# KiCad board SparkFun_GNSS_LG290P_panelized.kicad_pcb (continued)
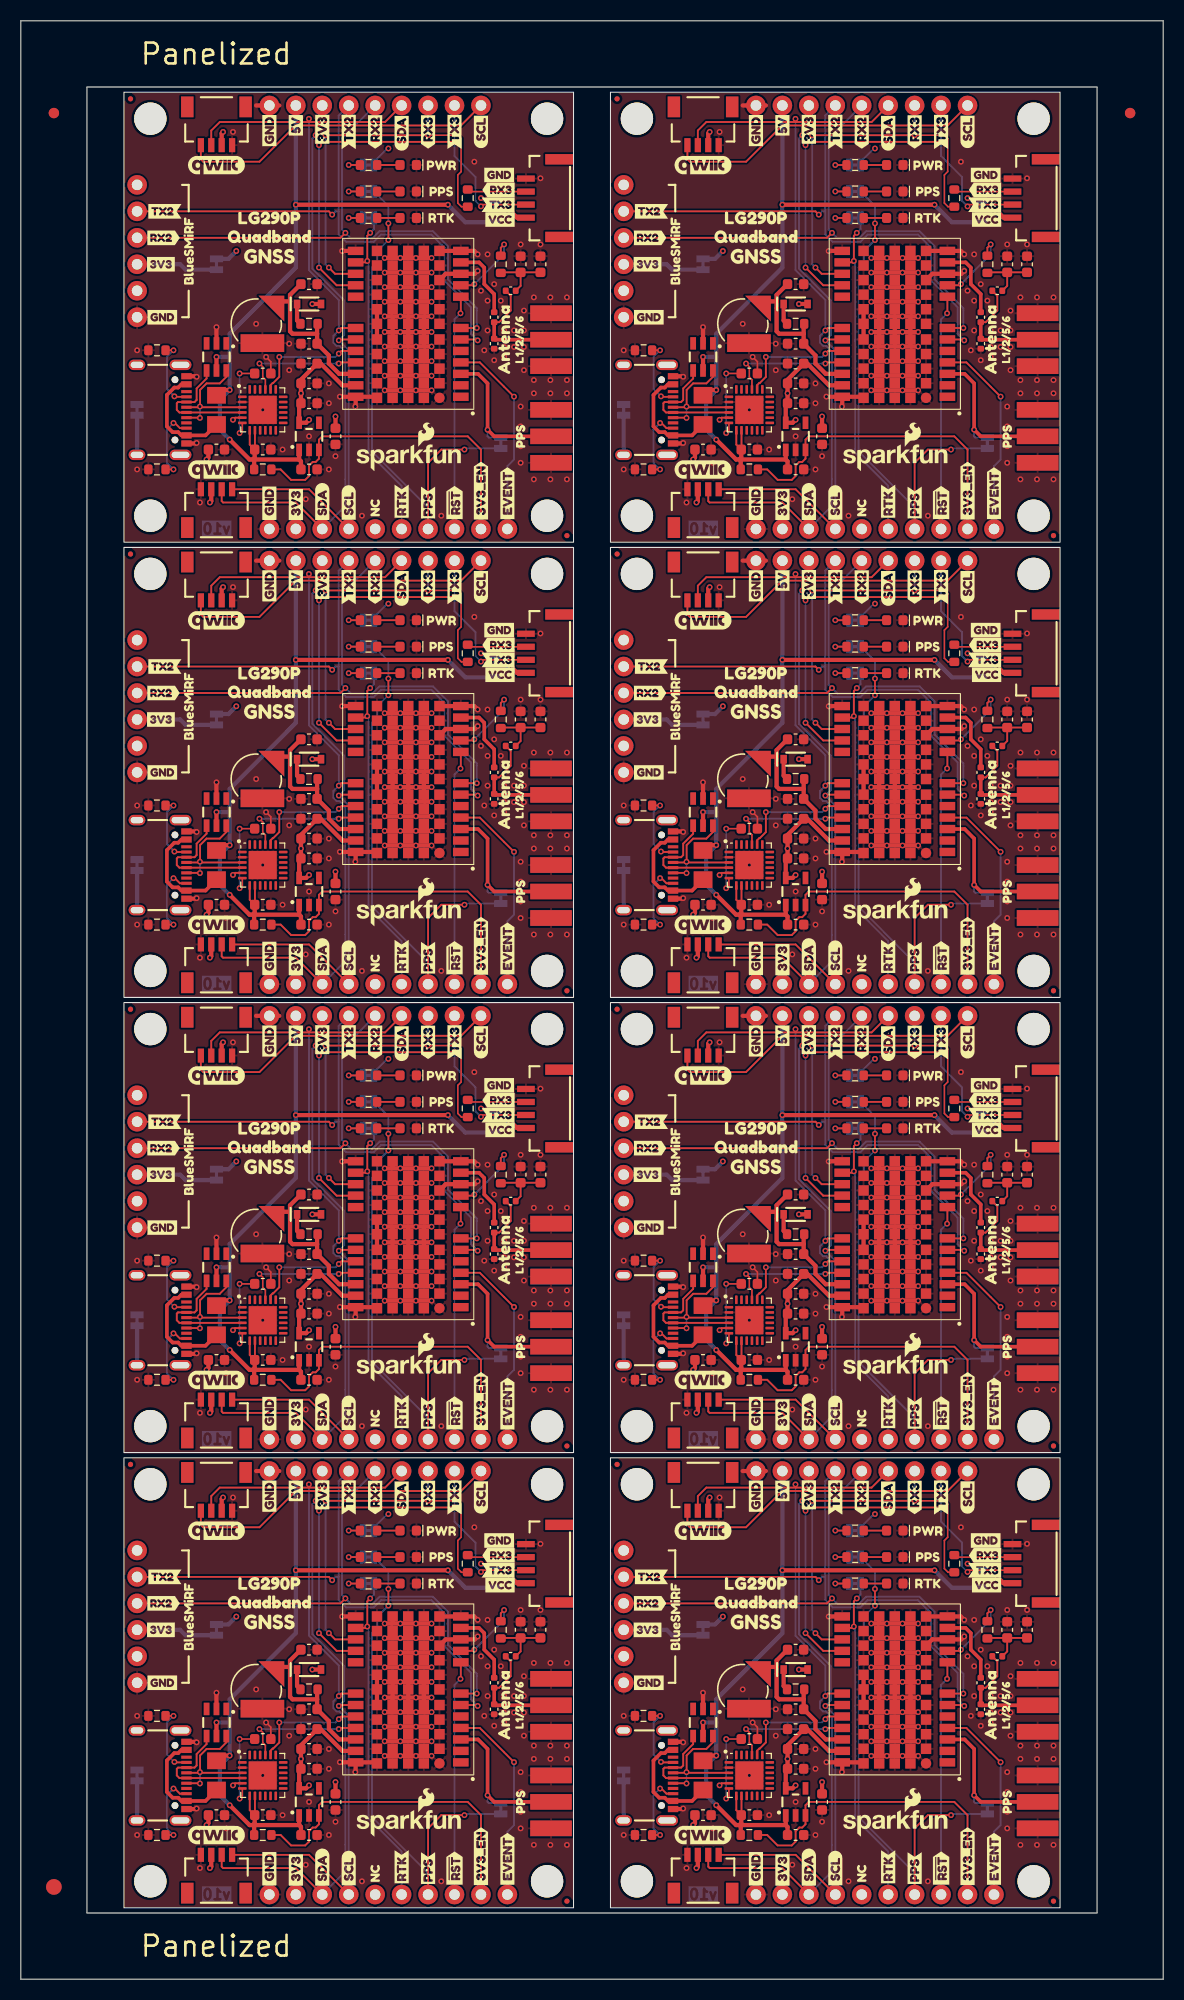
[diagram p0: board, top side]
## Library data of the parts (continued)
F1 F1#2-F1#7 = -: Datasheet: https://www.littelfuse.com/media?resourcetype=datasheets&itemid=2b6a1515-d4ee-4c83-8bd4-152b4901b8f5&filename=littelfuse_ptc_1206l_datasheet.pdf; Description: Resettable fuse 750mA; PROD_ID: RES-11150
F1#8 = -: Datasheet: https://www.littelfuse.com/media?resourcetype=datasheets&itemid=2b6a1515-d4ee-4c83-8bd4-152b4901b8f5&filename=littelfuse_ptc_1206l_datasheet.pdf; Description: Resettable fuse 750mA; PROD_ID: RES-11150; ki_fp_filters: *polyfuse* *PTC*
FID1 FID1#2-FID1#7 FID2 FID2#2-FID2#7 FID3 FID3#2-FID3#7 FID4#2-FID4#8 = -: Description: Fiducial Marker
FID1#8 FID2#8 FID3#8 FID4 = -: Description: Fiducial Marker; ki_fp_filters: Fiducial*
J1 J1#2-J1#7 = -: Datasheet: https://www.usb.org/sites/default/files/documents/usb_type-c.zip; Description: USB 2.0-only Type-C Receptacle connector; PROD_ID: CONN-14122
J1#8 = -: Datasheet: https://www.usb.org/sites/default/files/documents/usb_type-c.zip; Description: USB 2.0-only Type-C Receptacle connector; PROD_ID: CONN-14122; ki_fp_filters: USB*C*Receptacle*
J2 J2#2-J2#7 J10 J10#2-J10#7 = -: Description: Generic connector, single row, 01x06, script generated (kicad-library-utils/schlib/autogen/connector/)
J2#8 J10#8 = -: Description: Generic connector, single row, 01x06, script generated (kicad-library-utils/schlib/autogen/connector/); ki_fp_filters: Connector*:*_1x??_*
J3 J3#2-J3#7 J5#2-J5#8 = -: Datasheet: https://www.sparkfun.com/datasheets/Wireless/Antenna/SMA-Connector.pdf; Description: SMA PCB Edge Mount connector; PROD_ID: CONN-08289
J3#8 J5 = -: Datasheet: https://www.sparkfun.com/datasheets/Wireless/Antenna/SMA-Connector.pdf; Description: SMA PCB Edge Mount connector; PROD_ID: CONN-08289; ki_fp_filters: *BNC* *SMA* *SMB* *SMC* *Cinch* *LEMO*
J4 J7#8 = -: Datasheet: https://www.jst-mfg.com/product/pdf/eng/eSH.pdf; Description: 4 pin JST 1mm polarized connector for I2C; PROD_ID: CONN-13694; ki_fp_filters: Connector*:*_1x??_*
J4#2-J4#8 J7 J7#2-J7#7 = -: Datasheet: https://www.jst-mfg.com/product/pdf/eng/eSH.pdf; Description: 4 pin JST 1mm polarized connector for I2C; PROD_ID: CONN-13694
J6 = -: Description: Generic connector, single row, 01x09, script generated (kicad-library-utils/schlib/autogen/connector/); ki_fp_filters: Connector*:*_1x??_*
J6#2-J6#8 = -: Description: Generic connector, single row, 01x09, script generated (kicad-library-utils/schlib/autogen/connector/)
J8 = -: Description: Generic connector, single row, 01x04, script generated (kicad-library-utils/schlib/autogen/connector/); PROD_ID: CONN-15303; ki_fp_filters: Connector*:*_1x??_*
J8#2-J8#8 = -: Description: Generic connector, single row, 01x04, script generated (kicad-library-utils/schlib/autogen/connector/); PROD_ID: CONN-15303
J9 = -: Description: Coomon 4 pin PTH connector for I2C; ki_fp_filters: Connector*:*_1x??_*
J9#2-J9#8 = -: Description: Coomon 4 pin PTH connector for I2C
JP1 JP1#2-JP1#7 JP2#2-JP2#8 JP3#2-JP3#8 JP5#2-JP5#8 JP6#2-JP6#8 JP7#2-JP7#8 = -: Description: Solder Jumper, 2-pole, closed/bridged
JP1#8 JP2 JP3 JP5-JP7 = -: Description: Solder Jumper, 2-pole, closed/bridged; ki_fp_filters: SolderJumper*Bridged*
JP4 = -: Description: 3-pole Solder Jumper, pins 1+2 closed/bridged; ki_fp_filters: SolderJumper*Bridged12*
JP4#2-JP4#8 = -: Description: 3-pole Solder Jumper, pins 1+2 closed/bridged
L1 L1#2-L1#4 L1#6-L1#8 = -: Description: Inductor; Current: 200mA; PROD_ID: NDUC-15356
L1#5 = -: Description: Inductor; Current: 200mA; PROD_ID: NDUC-15356; ki_fp_filters: Choke_* *Coil* Inductor_* L_*
R1 R1#2 R1#3 R1#5-R1#8 R2#2-R2#8 = -: Datasheet: https://www.vishay.com/docs/20035/dcrcwe3.pdf; Description: Resistor; PROD_ID: RES-12083
R1#4 R2 = -: Datasheet: https://www.vishay.com/docs/20035/dcrcwe3.pdf; Description: Resistor; PROD_ID: RES-12083; ki_fp_filters: R_*
R3 R3#2-R3#7 R7#2-R7#8 R8 R8#2-R8#7 = -: Datasheet: https://www.vishay.com/docs/20035/dcrcwe3.pdf; Description: Resistor; PROD_ID: RES-07856
R3#8 R7 R8#8 = -: Datasheet: https://www.vishay.com/docs/20035/dcrcwe3.pdf; Description: Resistor; PROD_ID: RES-07856; ki_fp_filters: R_*
R4 = -: Datasheet: https://www.vishay.com/docs/20035/dcrcwe3.pdf; Description: Resistor; PROD_ID: RES-07857; ki_fp_filters: R_*
R4#2-R4#8 = -: Datasheet: https://www.vishay.com/docs/20035/dcrcwe3.pdf; Description: Resistor; PROD_ID: RES-07857
R5 = -: Datasheet: https://www.vishay.com/docs/20035/dcrcwe3.pdf; Description: Resistor; PROD_ID: RES-08272; ki_fp_filters: R_*
R5#2-R5#8 = -: Datasheet: https://www.vishay.com/docs/20035/dcrcwe3.pdf; Description: Resistor; PROD_ID: RES-08272
R6 R6#2-R6#7 = -: Datasheet: https://www.vishay.com/docs/20035/dcrcwe3.pdf; Description: Resistor; PROD_ID: RES-12581
R6#8 = -: Datasheet: https://www.vishay.com/docs/20035/dcrcwe3.pdf; Description: Resistor; PROD_ID: RES-12581; ki_fp_filters: R_*
R9 R9#2-R9#7 = -: Datasheet: https://www.vishay.com/docs/20035/dcrcwe3.pdf; Description: Resistor; PROD_ID: RES-07828
R9#8 = -: Datasheet: https://www.vishay.com/docs/20035/dcrcwe3.pdf; Description: Resistor; PROD_ID: RES-07828; ki_fp_filters: R_*
ST1 ST1#2-ST1#7 ST2 ST2#2-ST2#7 ST3#2-ST3#8 ST4#2-ST4#8 = -: Description: Drill holes for mechanically mounting via screws, standoffs, etc.
ST1#8 ST2#8 ST3 ST4 = -: Description: Drill holes for mechanically mounting via screws, standoffs, etc.; ki_fp_filters: Fiducial*
U1 U1#2-U1#7 = -: Datasheet: https://www.diodes.com/assets/Datasheets/DT1042-04SO.pdf; Description: Very low capacitance ESD protection diode, 4 data-line, SOT-23-6; PROD_ID: IC-13538
U1#8 = -: Datasheet: https://www.diodes.com/assets/Datasheets/DT1042-04SO.pdf; Description: Very low capacitance ESD protection diode, 4 data-line, SOT-23-6; PROD_ID: IC-13538; ki_fp_filters: SOT?23*
U2 U2#2-U2#7 = -: Datasheet: https://www.richtek.com/SaveDownload.aspx?specid=RT9080; Description: 600mA low dropout linear regulator, with enable pin, 3.8V-6V input voltage range, 3.3V fixed positive output, SOT-23-5; PROD_ID: VREG-19034; VMax: 6V; Imax: 600mA; Iq: 4µA
U2#8 = -: Datasheet: https://www.richtek.com/SaveDownload.aspx?specid=RT9080; Description: 600mA low dropout linear regulator, with enable pin, 3.8V-6V input voltage range, 3.3V fixed positive output, SOT-23-5; PROD_ID: VREG-19034; VMax: 6V; Imax: 600mA; Iq: 4µA; ki_fp_filters: SOT?23?5*
U3 U3#2-U3#8 = -: Datasheet: https://cdn.sparkfun.com/assets/4/1/a/7/e/Quectel_LG290P_03__Hardware_Design_V1.0.pdf; Description: Quectel Quadband GNSS Receiver; PROD_ID: GPS-23025
U4 U4#2-U4#7 = -: Datasheet: https://cdn.sparkfun.com/assets/4/5/0/b/7/CH342_Datasheet.pdf; Description: USB dual serial converter, UART, QFN-24; PROD_ID: IC-23059
U4#8 = -: Datasheet: https://cdn.sparkfun.com/assets/4/5/0/b/7/CH342_Datasheet.pdf; Description: USB dual serial converter, UART, QFN-24; PROD_ID: IC-23059; ki_fp_filters: SOIC*3.9x9.9mm*P1.27mm*

## Footprints (pads in the part's own frame, mm; a bottom-side part is the same pattern mirrored in y, then rotated)
1x04
  round 1.88 hole 1.016: 1(0,0) 2(2.54,0) 3(5.08,0) 4(7.62,0)
1x06
  round 1.88 hole 1.016: 1(0,0) 2(2.54,0) 3(5.08,0) 4(7.62,0) 5(10.16,0) 6(12.7,0)
1x09
  round 1.88 hole 1.016: 1(0,0) 2(2.54,0) 3(5.08,0) 4(7.62,0) 5(10.16,0) 6(12.7,0) 7(15.24,0) 8(17.78,0) 9(20.32,0)
1206
  rect 1.6x1.8 smd: 1(-1.4,0) 2(1.4,0)
C_0402_1005Metric
  rrect 0.56x0.62 smd: 1(-0.48,0) 2(0.48,0)
C_0603_1608Metric
  rrect 0.9x0.95 smd: 1(-0.775,0) 2(0.775,0)
Fiducial_0.5mm_Mask1mm
  round 0.5 smd: (0,0)
Fiducial_1.5mm_Mask3mm
  round 1.5 smd: (0,0)
Fiducial_1mm_Mask3mm
  round 1 smd: (0,0)
JST_SMD_1.0mm-4_RA
  rect 0.6x1.35 smd: 1(-1.5,0) 2(-0.5,0) 3(0.5,0) 4(1.5,0)
  rect 1.2x2 smd: NC1(2.8,-3.675) NC2(-2.8,-3.675)
JST_SMD_1.25mm-4_Locking
  rect 0.6x1.7 smd: 1(-1.875,3.3) 2(-0.625,3.3) 3(0.625,3.3) 4(1.875,3.3)
  rect 1x2.7 smd: NC1(3.725,0.1) NC2(-3.725,0.1)
Jumper_2_NC_Trace
  rect 0.66x1.27 smd: 1(-0.521,0) 2(0.521,0)
Jumper_3_NC-1_Trace
  rect 0.66x1.27 smd: 1(-1.041,0) 2(0,0) 3(1.041,0)
LED_0603_1608Metric_Red
  rrect 0.875x0.95 smd: 1(-0.787,0) 2(0.787,0)
LED_0603_1608Metric_White
  rrect 0.875x0.95 smd: 1(-0.787,0) 2(0.787,0)
LED_0603_1608Metric_Yellow
  rrect 0.875x0.95 smd: 1(-0.787,0) 2(0.787,0)
ML414H_IV01E
  custom 2.485x2.485 smd: +(2.05,2.152)
  rect 4.2x1.7 smd: -(0.6,-1.85)
QFN-24-1EP_4x4mm_P0.5mm_EP2.7x2.7mm
  rrect 1.09x1.09 smd: (-0.675,0.675) (-0.675,-0.675) (0.675,0.675) (0.675,-0.675)
  rrect 0.825x0.25 smd: 1(-1.962,1.25) 2(-1.962,0.75) 3(-1.962,0.25) 4(-1.962,-0.25) 5(-1.962,-0.75) 6(-1.962,-1.25) 13(1.962,-1.25) 14(1.962,-0.75) 15(1.962,-0.25) 16(1.962,0.25) 17(1.962,0.75) 18(1.962,1.25)
  rrect 0.25x0.825 smd: 7(-1.25,-1.962) 8(-0.75,-1.962) 9(-0.25,-1.962) 10(0.25,-1.962) 11(0.75,-1.962) 12(1.25,-1.962) 19(1.25,1.962) 20(0.75,1.962) 21(0.25,1.962) 22(-0.25,1.962) 23(-0.75,1.962) 24(-1.25,1.962)
  rect 2.7x2.7 smd: 25(0,0)
Quectel_LG290P
  rect 1.5x0.8 smd: 1(-5.05,7) 2(-5.05,5.9) 3(-5.05,4.8) 4(-5.05,3.7) 5(-5.05,2.6) 6(-5.05,1.5) 7(-5.05,0.4) 8(-5.05,-2.6) 9(-5.05,-3.7) 10(-5.05,-4.8) 11(-5.05,-5.9) 12(-5.05,-7) 13(5.05,-7) 14(5.05,-5.9) 15(5.05,-4.8) 16(5.05,-3.7) 17(5.05,-2.6) 18(5.05,0.4) 19(5.05,1.5) 20(5.05,2.6) 21(5.05,3.7) 22(5.05,4.8) 23(5.05,5.9) 24(5.05,7)
  round 1 smd: 25(-3,7.1)
  rect 1x1 smd: 25(-3,5.7) 25(-3,4.3) 25(-3,2.9) 25(-3,1.5) 25(-3,0) 25(-3,-1.4) 25(-3,-2.8) 25(-3,-4.2) 25(-3,-5.6) 25(-3,-7) 25(-1.5,7.1) 25(-1.5,5.7) 25(-1.5,4.3) 25(-1.5,2.9) 25(-1.5,1.5) 25(-1.5,0) 25(-1.5,-1.4) 25(-1.5,-2.8) 25(-1.5,-4.2) 25(-1.5,-5.6) 25(-1.5,-7) 25(0,7.1) 25(0,5.7) 25(0,4.3) 25(0,2.9) 25(0,1.5) 25(0,0) 25(0,-1.4) 25(0,-2.8) 25(0,-4.2) 25(0,-5.6) 25(0,-7) 25(1.5,7.1) 25(1.5,5.7) 25(1.5,4.3) 25(1.5,2.9) 25(1.5,1.5) 25(1.5,0) 25(1.5,-1.4) 25(1.5,-2.8) 25(1.5,-4.2) 25(1.5,-5.6) 25(1.5,-7) 25(3,7.1) 25(3,5.7) 25(3,4.3) 25(3,2.9) 25(3,1.5) 25(3,0) 25(3,-1.4) 25(3,-2.8) 25(3,-4.2) 25(3,-5.6) 25(3,-7)
R_0603_1608Metric
  rrect 0.8x0.95 smd: 1(-0.825,0) 2(0.825,0)
SMA_Edge
  rect 1.5x4 smd: 1(0,0) 2(-2.54,0) 2(2.54,0)
  rect 1.5x4 smd far side: 2(-2.54,0) 2(2.54,0)
SOD-323
  rect 0.63x0.83 smd: A(1.15,0) C(-1.15,0)
SOT23-5
  rect 1.2x0.55 smd: 1(-1.3,0.95) 2(-1.3,0) 3(-1.3,-0.95) 4(1.3,-0.95) 5(1.3,0.95)
SOT23-6
  rect 1.2x0.55 smd: 1(-1.3,0.95) 2(-1.3,0) 3(-1.3,-0.95) 4(1.3,-0.95) 5(1.3,0) 6(1.3,0.95)
Standoff
  round 3.1 hole 3.1 unplated: (0,0)
USB-C_16
  round 0.65 hole 0.65 unplated: (-2.89,-1.445) (2.89,-1.445)
  rect 0.3x1 smd: A5(-1.25,-0.34) A6(-0.25,-0.34) A7(0.25,-0.34) A8(1.25,-0.34) B5(1.75,-0.34) B6(0.75,-0.34) B7(-0.75,-0.34) B8(-1.75,-0.34)
  rect 0.6x1 smd: GND(-3.225,-0.34) GND(3.225,-0.34) VBUS(-2.45,-0.34) VBUS(2.45,-0.34)
  oval 1x1.6 hole 0.6x1.2: NC1(-4.318,-5.095) S(4.318,-5.095)
  oval 1x2.1 hole 0.6x1.7: NC2(-4.318,-0.915) NC3(4.318,-0.915)

## Nets
3.3V: C2.1 C2#2.1 C2#3.1 C2#4.1 C2#5.1 C2#6.1 C2#7.1 C2#8.1 C5.1 C5#2.1 C5#3.1 C5#4.1 C5#5.1 C5#6.1 C5#7.1 C5#8.1 C8.1 C8#2.1 C8#3.1 C8#4.1 C8#5.1 C8#6.1 C8#7.1 C8#8.1 C13.1 C13#2.1 C13#3.1 C13#4.1 C13#5.1 C13#6.1 C13#7.1 C13#8.1 D5.A D5#2.A D5#3.A D5#4.A D5#5.A D5#6.A D5#7.A D5#8.A D6.2 D6#2.2 D6#3.2 D6#4.2 D6#5.2 D6#6.2 D6#7.2 D6#8.2 J4.2 J4#2.2 J4#3.2 J4#4.2 J4#5.2 J4#6.2 J4#7.2 J4#8.2 J6.7 J6#2.7 J6#3.7 J6#4.7 J6#5.7 J6#6.7 J6#7.7 J6#8.7 J7.2 J7#2.2 J7#3.2 J7#4.2 J7#5.2 J7#6.2 J7#7.2 J7#8.2 J9.2 J9#2.2 J9#3.2 J9#4.2 J9#5.2 J9#6.2 J9#7.2 J9#8.2 JP1.2 JP1#2.2 JP1#3.2 JP1#4.2 JP1#5.2 JP1#6.2 JP1#7.2 JP1#8.2 JP2.2 JP2#2.2 JP2#3.2 JP2#4.2 JP2#5.2 JP2#6.2 JP2#7.2 JP2#8.2 JP4.1 JP4#2.1 JP4#3.1 JP4#4.1 JP4#5.1 JP4#6.1 JP4#7.1 JP4#8.1 U2.5 U2#2.5 U2#3.5 U2#4.5 U2#5.5 U2#6.5 U2#7.5 U2#8.5 U3.23 U3#2.23 U3#3.23 U3#4.23 U3#5.23 U3#6.23 U3#7.23 U3#8.23 U4.5 U4#2.5 U4#3.5 U4#4.5 U4#5.5 U4#6.5 U4#7.5 U4#8.5
3V3_EN: J10.5 J10#2.5 J10#3.5 J10#4.5 J10#5.5 J10#6.5 J10#7.5 J10#8.5 R9.2 R9#2.2 R9#3.2 R9#4.2 R9#5.2 R9#6.2 R9#7.2 R9#8.2 U2.3 U2#2.3 U2#3.3 U2#4.3 U2#5.3 U2#6.3 U2#7.3 U2#8.3
5V: C1.1 C1#2.1 C1#3.1 C1#4.1 C1#5.1 C1#6.1 C1#7.1 C1#8.1 C7.1 C7#2.1 C7#3.1 C7#4.1 C7#5.1 C7#6.1 C7#7.1 C7#8.1 F1.2 F1#2.2 F1#3.2 F1#4.2 F1#5.2 F1#6.2 F1#7.2 F1#8.2 J6.8 J6#2.8 J6#3.8 J6#4.8 J6#5.8 J6#6.8 J6#7.8 J6#8.8 JP4.3 JP4#2.3 JP4#3.3 JP4#4.3 JP4#5.3 JP4#6.3 JP4#7.3 JP4#8.3 R9.1 R9#2.1 R9#3.1 R9#4.1 R9#5.1 R9#6.1 R9#7.1 R9#8.1 U1.5 U1#2.5 U1#3.5 U1#4.5 U1#5.5 U1#6.5 U1#7.5 U1#8.5 U2.1 U2#2.1 U2#3.1 U2#4.1 U2#5.1 U2#6.1 U2#7.1 U2#8.1 U4.7 U4.8 U4#2.7 U4#2.8 U4#3.7 U4#3.8 U4#4.7 U4#4.8 U4#5.7 U4#5.8 U4#6.7 U4#6.8 U4#7.7 U4#7.8 U4#8.7 U4#8.8
GND: BT1.- BT1#2.- BT1#3.- BT1#4.- BT1#5.- BT1#6.- BT1#7.- BT1#8.- C1.2 C1#2.2 C1#3.2 C1#4.2 C1#5.2 C1#6.2 C1#7.2 C1#8.2 C2.2 C2#2.2 C2#3.2 C2#4.2 C2#5.2 C2#6.2 C2#7.2 C2#8.2 C3.2 C3#2.2 C3#3.2 C3#4.2 C3#5.2 C3#6.2 C3#7.2 C3#8.2 C4.2 C4#2.2 C4#3.2 C4#4.2 C4#5.2 C4#6.2 C4#7.2 C4#8.2 C5.2 C5#2.2 C5#3.2 C5#4.2 C5#5.2 C5#6.2 C5#7.2 C5#8.2 C7.2 C7#2.2 C7#3.2 C7#4.2 C7#5.2 C7#6.2 C7#7.2 C7#8.2 C8.2 C8#2.2 C8#3.2 C8#4.2 C8#5.2 C8#6.2 C8#7.2 C8#8.2 C9.2 C9#2.2 C9#3.2 C9#4.2 C9#5.2 C9#6.2 C9#7.2 C9#8.2 C10.1 C10#2.1 C10#3.1 C10#4.1 C10#5.1 C10#6.1 C10#7.1 C10#8.1 C13.2 C13#2.2 C13#3.2 C13#4.2 C13#5.2 C13#6.2 C13#7.2 C13#8.2 D1.1 D1#2.1 D1#3.1 D1#4.1 D1#5.1 D1#6.1 D1#7.1 D1#8.1 D2.1 D2#2.1 D2#3.1 D2#4.1 D2#5.1 D2#6.1 D2#7.1 D2#8.1 D3.1 D3#2.1 D3#3.1 D3#4.1 D3#5.1 D3#6.1 D3#7.1 D3#8.1 D4.1 D4#2.1 D4#3.1 D4#4.1 D4#5.1 D4#6.1 D4#7.1 D4#8.1 D6.1 D6#2.1 D6#3.1 D6#4.1 D6#5.1 D6#6.1 D6#7.1 D6#8.1 D7.1 D7#2.1 D7#3.1 D7#4.1 D7#5.1 D7#6.1 D7#7.1 D7#8.1 J1.GND J1#2.GND J1#3.GND J1#4.GND J1#5.GND J1#6.GND J1#7.GND J1#8.GND J2.6 J2#2.6 J2#3.6 J2#4.6 J2#5.6 J2#6.6 J2#7.6 J2#8.6 J3.2 J3#2.2 J3#3.2 J3#4.2 J3#5.2 J3#6.2 J3#7.2 J3#8.2 J4.1 J4#2.1 J4#3.1 J4#4.1 J4#5.1 J4#6.1 J4#7.1 J4#8.1 J5.2 J5#2.2 J5#3.2 J5#4.2 J5#5.2 J5#6.2 J5#7.2 J5#8.2 J6.9 J6#2.9 J6#3.9 J6#4.9 J6#5.9 J6#6.9 J6#7.9 J6#8.9 J7.1 J7#2.1 J7#3.1 J7#4.1 J7#5.1 J7#6.1 J7#7.1 J7#8.1 J8.4 J8#2.4 J8#3.4 J8#4.4 J8#5.4 J8#6.4 J8#7.4 J8#8.4 J9.1 J9#2.1 J9#3.1 J9#4.1 J9#5.1 J9#6.1 J9#7.1 J9#8.1 JP7.1 JP7#2.1 JP7#3.1 JP7#4.1 JP7#5.1 JP7#6.1 JP7#7.1 JP7#8.1 R1.2 R1#2.2 R1#3.2 R1#4.2 R1#5.2 R1#6.2 R1#7.2 R1#8.2 R2.2 R2#2.2 R2#3.2 R2#4.2 R2#5.2 R2#6.2 R2#7.2 R2#8.2 U1.2 U1#2.2 U1#3.2 U1#4.2 U1#5.2 U1#6.2 U1#7.2 U1#8.2 U2.2 U2#2.2 U2#3.2 U2#4.2 U2#5.2 U2#6.2 U2#7.2 U2#8.2 U3.10 U3.12 U3.13 U3.24 U3.25 U3#2.10 U3#2.12 U3#2.13 U3#2.24 U3#2.25 U3#3.10 U3#3.12 U3#3.13 U3#3.24 U3#3.25 U3#4.10 U3#4.12 U3#4.13 U3#4.24 U3#4.25 U3#5.10 U3#5.12 U3#5.13 U3#5.24 U3#5.25 U3#6.10 U3#6.12 U3#6.13 U3#6.24 U3#6.25 U3#7.10 U3#7.12 U3#7.13 U3#7.24 U3#7.25 U3#8.10 U3#8.12 U3#8.13 U3#8.24 U3#8.25 U4.2 U4.25 U4#2.2 U4#2.25 U4#3.2 U4#3.25 U4#4.2 U4#4.25 U4#5.2 U4#5.25 U4#6.2 U4#6.25 U4#7.2 U4#7.25 U4#8.2 U4#8.25
VCC_RF: R6.1 R6#2.1 R6#3.1 R6#4.1 R6#5.1 R6#6.1 R6#7.1 R6#8.1 U3.9 U3#2.9 U3#3.9 U3#4.9 U3#5.9 U3#6.9 U3#7.9 U3#8.9
ANT_IN: C6.2 C6#2.2 C6#3.2 C6#4.2 C6#5.2 C6#6.2 C6#7.2 C6#8.2 U3.11 U3#2.11 U3#3.11 U3#4.11 U3#5.11 U3#6.11 U3#7.11 U3#8.11
EVENT: J10.6 J10#2.6 J10#3.6 J10#4.6 J10#5.6 J10#6.6 J10#7.6 J10#8.6 U3.4 U3#2.4 U3#3.4 U3#4.4 U3#5.4 U3#6.4 U3#7.4 U3#8.4
PPS: J10.3 J10#2.3 J10#3.3 J10#4.3 J10#5.3 J10#6.3 J10#7.3 J10#8.3 JP3.2 JP3#2.2 JP3#3.2 JP3#4.2 JP3#5.2 JP3#6.2 JP3#7.2 JP3#8.2 JP6.2 JP6#2.2 JP6#3.2 JP6#4.2 JP6#5.2 JP6#6.2 JP6#7.2 JP6#8.2
RTK_STAT: J10.2 J10#2.2 J10#3.2 J10#4.2 J10#5.2 J10#6.2 J10#7.2 J10#8.2 JP5.2 JP5#2.2 JP5#3.2 JP5#4.2 JP5#5.2 JP5#6.2 JP5#7.2 JP5#8.2 U3.14 U3#2.14 U3#3.14 U3#4.14 U3#5.14 U3#6.14 U3#7.14 U3#8.14
RXD1: U3.21 U3#2.21 U3#3.21 U3#4.21 U3#5.21 U3#6.21 U3#7.21 U3#8.21 U4.21 U4#2.21 U4#3.21 U4#4.21 U4#5.21 U4#6.21 U4#7.21 U4#8.21
RXD2: J2.3 J2#2.3 J2#3.3 J2#4.3 J2#5.3 J2#6.3 J2#7.3 J2#8.3 J6.5 J6#2.5 J6#3.5 J6#4.5 J6#5.5 J6#6.5 J6#7.5 J6#8.5 U3.7 U3#2.7 U3#3.7 U3#4.7 U3#5.7 U3#6.7 U3#7.7 U3#8.7
RXD3: J6.3 J6#2.3 J6#3.3 J6#4.3 J6#5.3 J6#6.3 J6#7.3 J6#8.3 R8.1 R8#2.1 R8#3.1 R8#4.1 R8#5.1 R8#6.1 R8#7.1 R8#8.1 U3.15 U3#2.15 U3#3.15 U3#4.15 U3#5.15 U3#6.15 U3#7.15 U3#8.15
SCL: J4.4 J4#2.4 J4#3.4 J4#4.4 J4#5.4 J4#6.4 J4#7.4 J4#8.4 J6.1 J6#2.1 J6#3.1 J6#4.1 J6#5.1 J6#6.1 J6#7.1 J6#8.1 J7.4 J7#2.4 J7#3.4 J7#4.4 J7#5.4 J7#6.4 J7#7.4 J7#8.4 J9.4 J9#2.4 J9#3.4 J9#4.4 J9#5.4 J9#6.4 J9#7.4 J9#8.4 U3.19 U3#2.19 U3#3.19 U3#4.19 U3#5.19 U3#6.19 U3#7.19 U3#8.19
SDA: J4.3 J4#2.3 J4#3.3 J4#4.3 J4#5.3 J4#6.3 J4#7.3 J4#8.3 J6.4 J6#2.4 J6#3.4 J6#4.4 J6#5.4 J6#6.4 J6#7.4 J6#8.4 J7.3 J7#2.3 J7#3.3 J7#4.3 J7#5.3 J7#6.3 J7#7.3 J7#8.3 J9.3 J9#2.3 J9#3.3 J9#4.3 J9#5.3 J9#6.3 J9#7.3 J9#8.3 U3.18 U3#2.18 U3#3.18 U3#4.18 U3#5.18 U3#6.18 U3#7.18 U3#8.18
TXD1: U3.20 U3#2.20 U3#3.20 U3#4.20 U3#5.20 U3#6.20 U3#7.20 U3#8.20 U4.20 U4#2.20 U4#3.20 U4#4.20 U4#5.20 U4#6.20 U4#7.20 U4#8.20
TXD2: J2.2 J2#2.2 J2#3.2 J2#4.2 J2#5.2 J2#6.2 J2#7.2 J2#8.2 J6.6 J6#2.6 J6#3.6 J6#4.6 J6#5.6 J6#6.6 J6#7.6 J6#8.6 U3.6 U3#2.6 U3#3.6 U3#4.6 U3#5.6 U3#6.6 U3#7.6 U3#8.6
TXD3: J6.2 J6#2.2 J6#3.2 J6#4.2 J6#5.2 J6#6.2 J6#7.2 J6#8.2 J8.2 J8#2.2 J8#3.2 J8#4.2 J8#5.2 J8#6.2 J8#7.2 J8#8.2 U3.16 U3#2.16 U3#3.16 U3#4.16 U3#5.16 U3#6.16 U3#7.16 U3#8.16
V_BCKP: BT1.+ BT1#2.+ BT1#3.+ BT1#4.+ BT1#5.+ BT1#6.+ BT1#7.+ BT1#8.+ C9.1 C9#2.1 C9#3.1 C9#4.1 C9#5.1 C9#6.1 C9#7.1 C9#8.1 D7.2 D7#2.2 D7#3.2 D7#4.2 D7#5.2 D7#6.2 D7#7.2 D7#8.2 R7.2 R7#2.2 R7#3.2 R7#4.2 R7#5.2 R7#6.2 R7#7.2 R7#8.2 U3.22 U3#2.22 U3#3.22 U3#4.22 U3#5.22 U3#6.22 U3#7.22 U3#8.22
~{RESET}: J10.4 J10#2.4 J10#3.4 J10#4.4 J10#5.4 J10#6.4 J10#7.4 J10#8.4 U3.8 U3#2.8 U3#3.8 U3#4.8 U3#5.8 U3#6.8 U3#7.8 U3#8.8
Net-(C3-Pad1): C3.1 C3#2.1 C3#3.1 C3#4.1 C3#5.1 C3#6.1 C3#7.1 C3#8.1 C4.1 C4#2.1 C4#3.1 C4#4.1 C4#5.1 C4#6.1 C4#7.1 C4#8.1 L1.1 L1#2.1 L1#3.1 L1#4.1 L1#5.1 L1#6.1 L1#7.1 L1#8.1 R6.2 R6#2.2 R6#3.2 R6#4.2 R6#5.2 R6#6.2 R6#7.2 R6#8.2
Net-(D1-A): D1.2 D1#2.2 D1#3.2 D1#4.2 D1#5.2 D1#6.2 D1#7.2 D1#8.2 R4.2 R4#2.2 R4#3.2 R4#4.2 R4#5.2 R4#6.2 R4#7.2 R4#8.2
Net-(D2-A): D2.2 D2#2.2 D2#3.2 D2#4.2 D2#5.2 D2#6.2 D2#7.2 D2#8.2 R3.2 R3#2.2 R3#3.2 R3#4.2 R3#5.2 R3#6.2 R3#7.2 R3#8.2
Net-(D3-A2): C6.1 C6#2.1 C6#3.1 C6#4.1 C6#5.1 C6#6.1 C6#7.1 C6#8.1 D3.2 D3#2.2 D3#3.2 D3#4.2 D3#5.2 D3#6.2 D3#7.2 D3#8.2 J5.1 J5#2.1 J5#3.1 J5#4.1 J5#5.1 J5#6.1 J5#7.1 J5#8.1 L1.2 L1#2.2 L1#3.2 L1#4.2 L1#5.2 L1#6.2 L1#7.2 L1#8.2
Net-(D4-A): D4.2 D4#2.2 D4#3.2 D4#4.2 D4#5.2 D4#6.2 D4#7.2 D4#8.2 R5.2 R5#2.2 R5#3.2 R5#4.2 R5#5.2 R5#6.2 R5#7.2 R5#8.2
Net-(D5-PadC): D5.C D5#2.C D5#3.C D5#4.C D5#5.C D5#6.C D5#7.C D5#8.C R7.1 R7#2.1 R7#3.1 R7#4.1 R7#5.1 R7#6.1 R7#7.1 R7#8.1
Net-(F1-Pad1): F1.1 F1#2.1 F1#3.1 F1#4.1 F1#5.1 F1#6.1 F1#7.1 F1#8.1 J1.VBUS J1#2.VBUS J1#3.VBUS J1#4.VBUS J1#5.VBUS J1#6.VBUS J1#7.VBUS J1#8.VBUS
Net-(J1-CC1): J1.A5 J1#2.A5 J1#3.A5 J1#4.A5 J1#5.A5 J1#6.A5 J1#7.A5 J1#8.A5 R2.1 R2#2.1 R2#3.1 R2#4.1 R2#5.1 R2#6.1 R2#7.1 R2#8.1
Net-(J1-CC2): J1.B5 J1#2.B5 J1#3.B5 J1#4.B5 J1#5.B5 J1#6.B5 J1#7.B5 J1#8.B5 R1.1 R1#2.1 R1#3.1 R1#4.1 R1#5.1 R1#6.1 R1#7.1 R1#8.1
Net-(J1-SHIELD): J1.S J1#2.S J1#3.S J1#4.S J1#5.S J1#6.S J1#7.S J1#8.S JP7.2 JP7#2.2 JP7#3.2 JP7#4.2 JP7#5.2 JP7#6.2 JP7#7.2 JP7#8.2
Net-(J2-Pin_4): J2.4 J2#2.4 J2#3.4 J2#4.4 J2#5.4 J2#6.4 J2#7.4 J2#8.4 JP1.1 JP1#2.1 JP1#3.1 JP1#4.1 JP1#5.1 JP1#6.1 JP1#7.1 JP1#8.1
Net-(J3-In): J3.1 J3#2.1 J3#3.1 J3#4.1 J3#5.1 J3#6.1 J3#7.1 J3#8.1 JP6.1 JP6#2.1 JP6#3.1 JP6#4.1 JP6#5.1 JP6#6.1 JP6#7.1 JP6#8.1 U3.3 U3#2.3 U3#3.3 U3#4.3 U3#5.3 U3#6.3 U3#7.3 U3#8.3
Net-(J8-Pin_1): J8.1 J8#2.1 J8#3.1 J8#4.1 J8#5.1 J8#6.1 J8#7.1 J8#8.1 JP4.2 JP4#2.2 JP4#3.2 JP4#4.2 JP4#5.2 JP4#6.2 JP4#7.2 JP4#8.2
Net-(J8-Pin_3): J8.3 J8#2.3 J8#3.3 J8#4.3 J8#5.3 J8#6.3 J8#7.3 J8#8.3 R8.2 R8#2.2 R8#3.2 R8#4.2 R8#5.2 R8#6.2 R8#7.2 R8#8.2
Net-(JP2-A): JP2.1 JP2#2.1 JP2#3.1 JP2#4.1 JP2#5.1 JP2#6.1 JP2#7.1 JP2#8.1 R4.1 R4#2.1 R4#3.1 R4#4.1 R4#5.1 R4#6.1 R4#7.1 R4#8.1
Net-(JP3-A): JP3.1 JP3#2.1 JP3#3.1 JP3#4.1 JP3#5.1 JP3#6.1 JP3#7.1 JP3#8.1 R5.1 R5#2.1 R5#3.1 R5#4.1 R5#5.1 R5#6.1 R5#7.1 R5#8.1
Net-(JP5-A): JP5.1 JP5#2.1 JP5#3.1 JP5#4.1 JP5#5.1 JP5#6.1 JP5#7.1 JP5#8.1 R3.1 R3#2.1 R3#3.1 R3#4.1 R3#5.1 R3#6.1 R3#7.1 R3#8.1
Net-(U1-I/O3): J1.A7 J1.B7 J1#2.A7 J1#2.B7 J1#3.A7 J1#3.B7 J1#4.A7 J1#4.B7 J1#5.A7 J1#5.B7 J1#6.A7 J1#6.B7 J1#7.A7 J1#7.B7 J1#8.A7 J1#8.B7 U1.4 U1#2.4 U1#3.4 U1#4.4 U1#5.4 U1#6.4 U1#7.4 U1#8.4 U4.4 U4#2.4 U4#3.4 U4#4.4 U4#5.4 U4#6.4 U4#7.4 U4#8.4
Net-(U1-I/O4): J1.A6 J1.B6 J1#2.A6 J1#2.B6 J1#3.A6 J1#3.B6 J1#4.A6 J1#4.B6 J1#5.A6 J1#5.B6 J1#6.A6 J1#6.B6 J1#7.A6 J1#7.B6 J1#8.A6 J1#8.B6 U1.6 U1#2.6 U1#3.6 U1#4.6 U1#5.6 U1#6.6 U1#7.6 U1#8.6 U4.3 U4#2.3 U4#3.3 U4#4.3 U4#5.3 U4#6.3 U4#7.3 U4#8.3
Net-(U4-V3): C10.2 C10#2.2 C10#3.2 C10#4.2 C10#5.2 C10#6.2 C10#7.2 C10#8.2 U4.6 U4#2.6 U4#3.6 U4#4.6 U4#5.6 U4#6.6 U4#7.6 U4#8.6

Pads without a net: J1 A8 B8 NC1 NC2 NC3; J1#2 A8 B8 NC1 NC2 NC3; J1#3 A8 B8 NC1 NC2 NC3; J1#4 A8 B8 NC1 NC2 NC3; J1#5 A8 B8 NC1 NC2 NC3; J1#6 A8 B8 NC1 NC2 NC3; J1#7 A8 B8 NC1 NC2 NC3; J1#8 A8 B8 NC1 NC2 NC3; J2 1 5; J2#2 1 5; J2#3 1 5; J2#4 1 5; J2#5 1 5; J2#6 1 5; J2#7 1 5; J2#8 1 5; J4 NC1 NC2; J4#2 NC1 NC2; J4#3 NC1 NC2; J4#4 NC1 NC2; J4#5 NC1 NC2; J4#6 NC1 NC2; J4#7 NC1 NC2; J4#8 NC1 NC2; J7 NC1 NC2; J7#2 NC1 NC2; J7#3 NC1 NC2; J7#4 NC1 NC2; J7#5 NC1 NC2; J7#6 NC1 NC2; J7#7 NC1 NC2; J7#8 NC1 NC2; J8 NC1 NC2; J8#2 NC1 NC2; J8#3 NC1 NC2; J8#4 NC1 NC2; J8#5 NC1 NC2; J8#6 NC1 NC2; J8#7 NC1 NC2; J8#8 NC1 NC2; J10 1; J10#2 1; J10#3 1; J10#4 1; J10#5 1; J10#6 1; J10#7 1; J10#8 1; U1 1 3; U1#2 1 3; U1#3 1 3; U1#4 1 3; U1#5 1 3; U1#6 1 3; U1#7 1 3; U1#8 1 3; U2 4; U2#2 4; U2#3 4; U2#4 4; U2#5 4; U2#6 4; U2#7 4; U2#8 4; U3 1 2 5 17; U3#2 1 2 5 17; U3#3 1 2 5 17; U3#4 1 2 5 17; U3#5 1 2 5 17; U3#6 1 2 5 17; U3#7 1 2 5 17; U3#8 1 2 5 17; U4 1 9 10 11 12 13 14 15 16 17 18 19 22 23 24; U4#2 1 9 10 11 12 13 14 15 16 17 18 19 22 23 24; U4#3 1 9 10 11 12 13 14 15 16 17 18 19 22 23 24; U4#4 1 9 10 11 12 13 14 15 16 17 18 19 22 23 24; U4#5 1 9 10 11 12 13 14 15 16 17 18 19 22 23 24; U4#6 1 9 10 11 12 13 14 15 16 17 18 19 22 23 24; U4#7 1 9 10 11 12 13 14 15 16 17 18 19 22 23 24; U4#8 1 9 10 11 12 13 14 15 16 17 18 19 22 23 24

## Via types
v1: diameter 0.56, hole 0.3, Top to Bottom, 1288 vias

## Routing (per net, layer and track width the routed paths; a pad name or vN(x,y) marks a point on that pad's centre or on a via; arc(x,y) is an arc through that point)
3.3V: length 195.6
  Top w0.178: v1(20.38,105.96) 20.58,106.16 U4#6.5 ; v1(20.38,62.28) 20.58,62.48 U4#2.5 ; v1(20.38,18.6) 20.58,18.8 U4#8.5 ; v1(67.1,149.64) 67.31,149.84 U4#4.5 ; v1(20.38,149.64) 20.58,149.84 U4#7.5 ; v1(67.1,62.28) 67.31,62.48 U4#3.5 ; v1(67.1,105.96) 67.31,106.16 U4#5.5 ; U4.5 67.31,18.8 v1(67.1,18.6)
  Top w0.406: U3#3.23 30.88,152.94 28.79,155.03 C8#6.1 26.9,153.49 C5#5.1 v1(26.9,152.18) C2#2.1 26.73,151.05 U2.5 27.39,149.35 v1(27.68,149.64) ; C13#6.1 18.01,58.64 v1(17.84,58.47) ; v1(19.42,46.22) 19.29,46.09 J7#8.2 ; J4#4.2 18.29,98.16 v1(18.15,98.02) ; U3#6.23 30.88,109.27 28.79,111.36 C8#4.1 26.9,109.81 C5#6.1 v1(26.9,108.5) C2#7.1 26.73,107.37 U2#2.5 27.39,105.67 v1(27.68,105.96) ; v1(74.72,73.39) D5#4.A ; v1(74.72,29.71) D5#8.A ; v1(64.88,141.7) 65.02,141.84 J4#5.2 ; J7.2 66.02,177.12 v1(66.15,177.26) ; v1(74.41,149.64) 74.12,149.35 73.46,149.35 73.46,151.05 C2#4.1 v1(73.63,152.18) C5#2.1 73.63,153.49 C8#5.1 75.52,155.03 77.61,152.94 U3#2.23 ; v1(19.42,177.26) 19.29,177.12 J7#4.2 ; D6#3.2 v1(30.22,149.96) ; C13#8.1 18.01,14.97 v1(17.84,14.79) ; v1(28,73.39) D5#2.A ; C13.1 18.01,102.33 v1(17.84,102.15) ; C13#7.1 64.74,14.97 v1(64.56,14.79) ; v1(64.56,102.15) 64.74,102.33 C13#4.1 ; J7#2.2 66.02,89.77 v1(66.15,89.9) ; v1(64.88,54.34) 65.02,54.48 J4#7.2 ; J7#5.2 66.02,46.09 v1(66.15,46.22) ; C13#5.1 64.74,146 v1(64.56,145.83) ; J4#3.2 18.29,54.48 v1(18.15,54.34) ; C13#2.1 18.01,146 v1(17.84,145.83) ; v1(64.88,98.02) 65.02,98.16 J4#8.2 ; D6#8.2 v1(30.22,18.92) ; v1(66.15,133.58) 66.02,133.44 J7#7.2 ; v1(28,160.75) D5#3.A ; v1(18.15,10.66) 18.29,10.8 J4.2 ; J7#3.2 19.29,89.77 v1(19.42,89.9) ; D6#5.2 v1(76.95,18.92) ; v1(27.68,18.6) 27.39,18.31 U2#8.5 26.73,20.01 C2.1 v1(26.9,21.14) C5#8.1 26.9,22.45 C8#8.1 28.79,24 30.88,21.91 U3#8.23 ; U3#7.23 77.61,65.59 75.52,67.68 C8.1 73.63,66.12 C5#3.1 v1(73.63,64.82) C2#3.1 73.46,63.69 73.46,61.99 74.12,61.99 v1(74.41,62.28) ; D6#6.2 v1(76.95,106.28) ; v1(74.41,105.96) 74.12,105.67 73.46,105.67 73.46,107.37 C2#8.1 v1(73.63,108.5) C5#7.1 73.63,109.81 C8#3.1 75.52,111.36 77.61,109.27 U3#4.23 ; v1(27.68,62.28) 27.39,61.99 U2#7.5 26.73,63.69 C2#5.1 v1(26.9,64.82) C5#4.1 26.9,66.12 C8#2.1 28.79,67.68 30.88,65.59 U3.23 ; v1(19.42,133.58) 19.29,133.44 J7#6.2 ; C13#3.1 64.74,58.64 v1(64.56,58.47) ; v1(74.72,117.07) D5#7.A ; v1(74.41,18.6) 74.12,18.31 73.46,18.31 73.46,20.01 C2#6.1 v1(73.63,21.14) C5.1 73.63,22.45 C8#7.1 75.52,24 77.61,21.91 U3#5.23 ; v1(64.88,10.66) 65.02,10.8 J4#6.2 ; D6#2.2 v1(30.22,62.6) ; J4#2.2 18.29,141.84 v1(18.15,141.7) ; v1(28,117.07) D5#6.A ; D6#7.2 v1(76.95,149.96) ; D6.2 v1(30.22,106.28) ; D6#4.2 v1(76.95,62.6) ; v1(28,29.71) D5.A ; v1(74.72,160.75) D5#5.A
  Bottom w0.178: JP4#2.1 44.42,83.32 v1(44.19,83.55) ; v1(90.92,39.87) 91.14,39.64 JP4#5.1 ; v1(82.03,88.31) 81.92,88.31 80.64,87.03 JP2#8.2 ; JP2#5.2 33.91,87.03 35.2,88.31 v1(35.3,88.31) ; JP4#3.1 44.42,127 v1(44.19,127.23) ; JP2.2 33.91,43.35 35.2,44.63 v1(35.3,44.63) ; JP2#2.2 33.91,130.71 35.2,131.99 v1(35.3,131.99) ; v1(44.19,39.87) 44.42,39.64 JP4.1 ; v1(35.3,175.67) 35.2,175.67 33.91,174.39 JP2#6.2 ; v1(90.92,127.23) 91.14,127 JP4#6.1 ; v1(82.03,44.63) 81.92,44.63 80.64,43.35 JP2#7.2 ; JP4#8.1 91.14,170.68 v1(90.92,170.91) ; v1(82.03,131.99) 81.92,131.99 80.64,130.71 JP2#3.2 ; JP4#7.1 91.14,83.32 v1(90.92,83.55) ; v1(44.19,170.91) 44.42,170.68 JP4#4.1 ; v1(82.03,175.67) 81.92,175.67 80.64,174.39 JP2#4.2
  Bottom w0.406: v1(20.69,78.47) 19.94,77.72 JP1#3.2 ; JP1#5.2 66.67,165.08 v1(67.42,165.83) ; v1(67.42,34.79) 66.67,34.04 JP1#2.2 ; v1(20.69,165.83) 19.94,165.08 JP1#4.2 ; JP1.2 19.94,121.4 v1(20.69,122.15) ; v1(67.42,122.15) 66.67,121.4 JP1#7.2 ; v1(67.42,78.47) 66.67,77.72 JP1#6.2 ; v1(20.69,34.79) 19.94,34.04 JP1#8.2
